# KiCad board V1.2.kicad_pcb (continued)
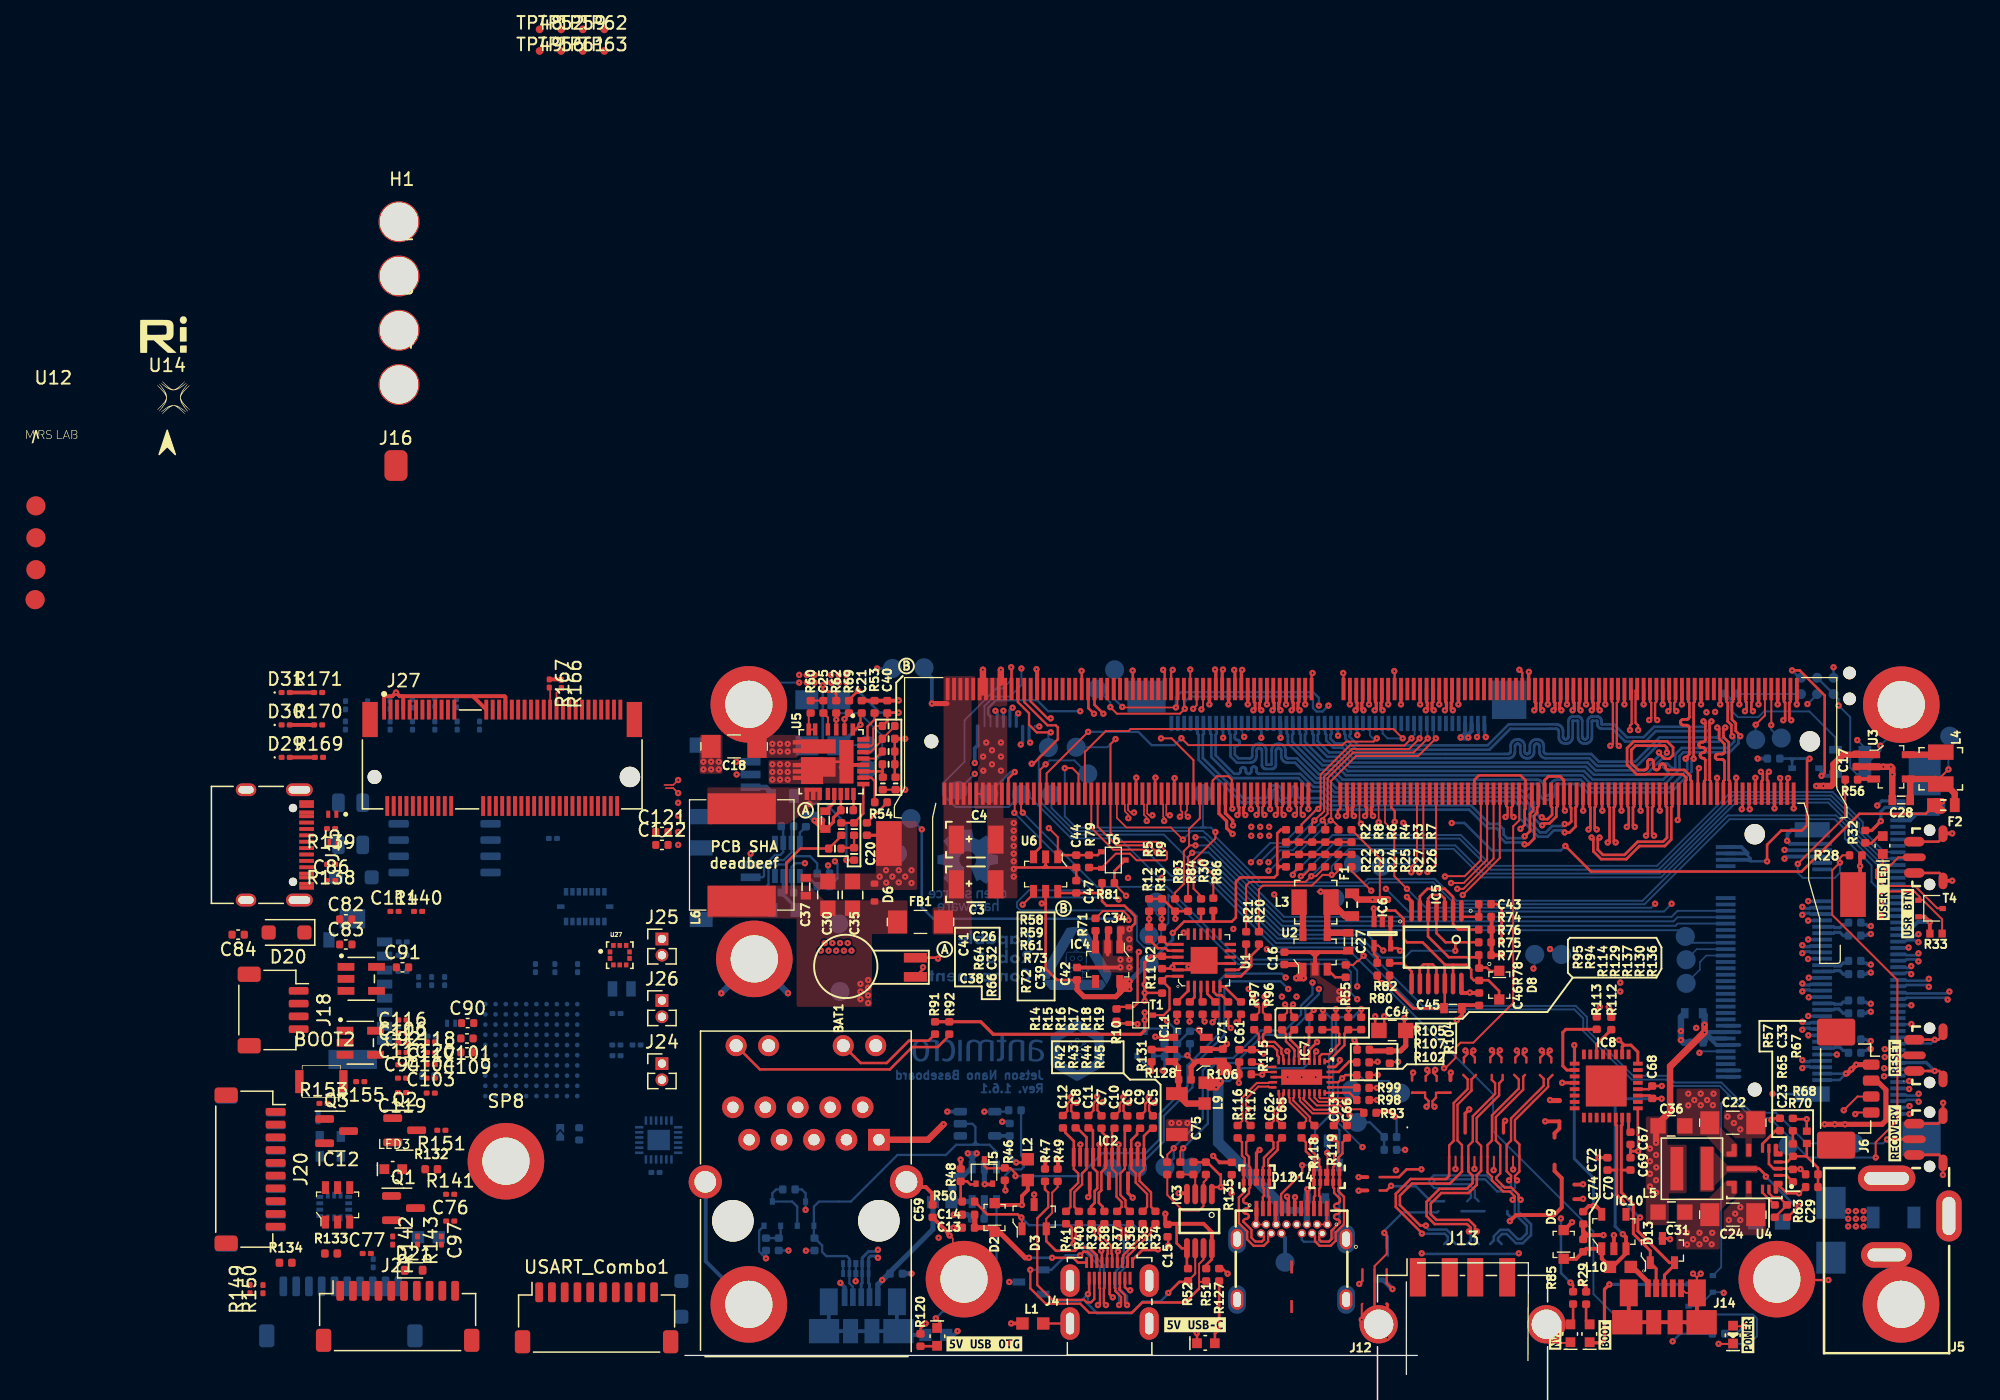
[diagram p0: board, top side]
## Routing (per net, layer and track width the routed paths; a pad name or vN(x,y) marks a point on that pad's centre or on a via; arc(x,y) is an arc through that point) (continued)
  Bottom w0.21: v1(96.02,31.99) 95.88,31.84 95.66,31.84 95.57,31.92 94.84,31.92
/CSI/CSI_B_D0_N: length 43.4
  Top w0.21: v1(86.63,51.25) 86.49,51.39 86.49,52.62 86.57,52.7 M1.3
  In3_SIGNAL.Cu w0.138: v1(86.63,51.25) 86.45,51.43 86.45,51.71 86.5,51.76 88.44,51.76 89.63,50.57 89.63,49.86 89.62,49.82 89.61,49.78 89.59,49.75 89.56,49.72 89.53,49.7 89.49,49.69 89.45,49.68 89.43,49.68 89.4,49.68 89.36,49.67 89.33,49.65 89.3,49.62 89.28,49.58 89.26,49.55 89.26,49.51 89.26,49.47 89.28,49.43 89.3,49.4 89.33,49.37 89.36,49.35 89.4,49.34 89.43,49.33 89.45,49.33 89.49,49.33 89.53,49.32 89.56,49.3 89.59,49.27 89.61,49.23 89.62,49.2 89.63,49.16 89.63,45.52 90.05,45.1 90.11,45.06 94.68,45.06 96.14,43.61 96.14,41.86 96.15,41.77 96.18,41.68 96.23,41.61 96.29,41.54 96.37,41.49 96.46,41.46 96.55,41.45 97.45,41.45 97.49,41.45 97.53,41.44 97.56,41.42 97.58,41.39 97.6,41.36 97.62,41.32 97.62,41.28 97.62,41.25 97.6,41.21 97.58,41.18 97.56,41.15 97.53,41.13 97.49,41.12 97.45,41.12 96.55,41.12 96.46,41.11 96.37,41.08 96.29,41.03 96.23,40.96 96.18,40.89 96.15,40.8 96.14,40.71 96.14,40.66 96.15,40.57 96.18,40.48 96.23,40.41 96.29,40.34 96.37,40.29 96.46,40.26 96.55,40.25 97.45,40.25 97.49,40.25 97.53,40.24 97.56,40.22 97.58,40.19 97.6,40.16 97.62,40.12 97.62,40.08 97.62,40.05 97.6,40.01 97.58,39.98 97.56,39.95 97.53,39.93 97.49,39.92 97.45,39.92 96.55,39.92 96.46,39.91 96.37,39.88 96.29,39.83 96.23,39.76 96.18,39.69 96.15,39.6 96.14,39.51 96.14,37.43 96.15,37.34 96.18,37.26 96.23,37.18 96.29,37.11 96.37,37.07 96.46,37.04 96.55,37.03 97.15,37.03 97.19,37.02 97.22,37.01 97.26,36.99 97.28,36.96 97.3,36.93 97.31,36.89 97.32,36.86 97.31,36.82 97.3,36.78 97.28,36.75 97.26,36.73 97.22,36.71 97.19,36.69 97.15,36.69 96.55,36.69 96.46,36.68 96.37,36.65 96.29,36.6 96.23,36.54 96.18,36.46 96.15,36.37 96.14,36.28 96.14,35.47 96.68,34.93 96.78,34.93 97.21,34.5 97.21,32.14 96.63,31.56 96.63,30.91 96.99,30.54 97.23,30.54 v1(97.41,30.36)
  Bottom w0.21: 94.84,30.43 95.57,30.43 95.66,30.51 97.26,30.51 v1(97.41,30.36)
/CSI/CSI_B_D0_P: length 43.4
  Top w0.21: v1(86.01,51.25) 86.15,51.39 86.15,52.62 86.07,52.7 M1.5
  In3_SIGNAL.Cu w0.138: v1(86.01,51.25) 86.19,51.43 86.19,51.82 86.39,52.02 88.55,52.02 89.89,50.68 89.89,45.63 90.2,45.33 94.79,45.33 96.4,43.72 96.4,41.88 96.41,41.85 96.42,41.81 96.44,41.78 96.47,41.75 96.5,41.73 96.53,41.72 96.57,41.72 97.48,41.72 97.57,41.71 97.65,41.68 97.73,41.63 97.8,41.56 97.84,41.49 97.87,41.4 97.88,41.31 97.88,41.26 97.87,41.17 97.84,41.08 97.8,41.01 97.73,40.94 97.65,40.89 97.57,40.86 97.48,40.85 96.57,40.85 96.53,40.85 96.5,40.84 96.47,40.82 96.44,40.79 96.42,40.76 96.41,40.72 96.4,40.68 96.41,40.65 96.42,40.61 96.44,40.58 96.47,40.55 96.5,40.53 96.53,40.52 96.57,40.52 97.48,40.52 97.57,40.51 97.65,40.48 97.73,40.43 97.8,40.36 97.84,40.29 97.87,40.2 97.88,40.11 97.88,40.06 97.87,39.97 97.84,39.88 97.8,39.81 97.73,39.74 97.65,39.69 97.57,39.66 97.48,39.65 96.57,39.65 96.53,39.65 96.5,39.64 96.47,39.62 96.44,39.59 96.42,39.56 96.41,39.52 96.4,39.48 96.4,37.46 96.41,37.42 96.42,37.38 96.44,37.35 96.47,37.33 96.5,37.31 96.53,37.29 96.57,37.29 97.18,37.29 97.27,37.28 97.35,37.25 97.43,37.2 97.49,37.14 97.54,37.06 97.57,36.97 97.58,36.88 97.58,36.83 97.57,36.74 97.54,36.66 97.49,36.58 97.43,36.51 97.35,36.47 97.27,36.44 97.18,36.43 96.57,36.43 96.53,36.42 96.5,36.41 96.47,36.39 96.44,36.36 96.42,36.33 96.41,36.29 96.4,36.26 96.4,35.58 96.79,35.19 96.89,35.19 97.47,34.61 97.47,32.04 96.89,31.45 96.89,31.02 97.1,30.81 97.23,30.81 v1(97.41,30.99)
  Bottom w0.21: 94.84,30.92 95.57,30.92 95.66,30.84 97.26,30.84 v1(97.41,30.99)
/CSI/CSI_B_D1_N: length 43.3
  Top w0.21: v1(83.63,51.96) 83.51,52.08 83.51,52.64 83.57,52.7 M1.15
  In3_SIGNAL.Cu w0.138: v1(83.63,51.96) 83.45,52.14 83.45,53.02 83.71,53.28 88.2,53.28 90.85,50.62 90.85,46.22 91.32,45.75 95.53,45.75 98.28,42.99 98.28,32.27 98.27,32.24 98.26,32.21 98.24,32.18 98.22,32.15 98.19,32.14 98.16,32.12 98.13,32.12 98.02,32.12 97.99,32.12 97.96,32.11 97.93,32.09 97.91,32.06 97.89,32.04 97.88,32 97.87,31.97 97.88,31.94 97.89,31.91 97.91,31.88 97.93,31.85 97.96,31.84 97.99,31.82 98.02,31.82 98.13,31.82 98.16,31.82 98.19,31.81 98.22,31.79 98.24,31.76 98.26,31.74 98.27,31.7 98.28,31.67 98.28,29.97 v1(98.88,29.36)
  Bottom w0.21: 94.84,29.43 95.57,29.43 95.66,29.51 98.73,29.51 v1(98.88,29.36)
/CSI/CSI_B_D1_P: length 43.3
  Top w0.21: v1(83.01,51.96) 83.13,52.08 83.13,52.64 83.07,52.7 M1.17
  In3_SIGNAL.Cu w0.138: v1(99.01,29.99) 98.63,29.99 98.54,30.07 98.54,43.1 95.63,46.01 91.43,46.01 91.12,46.32 91.12,50.73 88.31,53.54 83.6,53.54 83.19,53.13 83.19,52.14 v1(83.01,51.96)
  Bottom w0.21: 94.84,29.92 95.57,29.92 95.66,29.84 98.73,29.84 98.95,30.05 v1(99.01,29.99)
/CSI/CSI_C_CLK_N: length 55.7
  Top w0.21: v1(74.38,42.89) 74.24,43.04 74.24,44.42 74.32,44.5 M1.52
  In5_3V3_SYS_SIGNAL.Cu w0.128: v1(74.38,42.89) 74.2,43.08 74.2,43.28 74.27,43.35 76.46,43.35 77.51,42.29 77.51,38.56 80.48,35.59 80.48,34.86 80.48,34.83 80.47,34.81 80.45,34.78 80.43,34.76 80.41,34.75 80.38,34.74 80.35,34.73 80.1,34.73 80.02,34.73 79.94,34.7 79.87,34.66 79.81,34.6 79.77,34.53 79.75,34.46 79.74,34.38 79.74,34.33 79.75,34.25 79.77,34.18 79.81,34.11 79.87,34.05 79.94,34.01 80.02,33.98 80.1,33.97 81.1,33.97 81.13,33.97 81.16,33.96 81.18,33.94 81.2,33.92 81.22,33.9 81.22,33.87 81.23,33.84 81.22,33.82 81.22,33.79 81.2,33.76 81.18,33.74 81.16,33.73 81.13,33.72 81.1,33.72 80.1,33.72 80.02,33.71 79.94,33.68 79.87,33.64 79.81,33.58 79.77,33.51 79.75,33.44 79.74,33.36 79.74,33.31 79.75,33.23 79.77,33.16 79.81,33.09 79.87,33.03 79.94,32.99 80.02,32.96 80.1,32.95 81.1,32.95 81.13,32.95 81.16,32.94 81.18,32.93 81.2,32.91 81.22,32.88 81.22,32.85 81.23,32.83 81.22,32.8 81.22,32.77 81.2,32.75 81.18,32.73 81.16,32.71 81.13,32.7 81.1,32.7 80.1,32.7 80.02,32.69 79.94,32.66 79.87,32.62 79.81,32.56 79.77,32.5 79.75,32.42 79.74,32.34 79.74,32.3 79.75,32.22 79.77,32.14 79.81,32.07 79.87,32.01 79.94,31.97 80.02,31.95 80.1,31.94 81.1,31.94 81.13,31.93 81.16,31.92 81.18,31.91 81.2,31.89 81.22,31.86 81.22,31.84 81.23,31.81 81.22,31.78 81.22,31.75 81.2,31.73 81.18,31.71 81.16,31.69 81.13,31.68 81.1,31.68 80.1,31.68 80.02,31.67 79.94,31.64 79.87,31.6 79.81,31.55 79.77,31.48 79.75,31.4 79.74,31.32 79.74,31.28 79.75,31.2 79.77,31.12 79.81,31.05 79.87,31 79.94,30.95 80.02,30.93 80.1,30.92 81.1,30.92 81.13,30.92 81.16,30.91 81.18,30.89 81.2,30.87 81.22,30.85 81.22,30.82 81.23,30.79 81.22,30.76 81.22,30.73 81.2,30.71 81.18,30.69 81.16,30.67 81.13,30.67 81.1,30.66 80.1,30.66 80.02,30.65 79.94,30.63 79.87,30.58 79.81,30.53 79.77,30.46 79.75,30.38 79.74,30.3 79.74,30.26 79.75,30.18 79.77,30.1 79.81,30.04 79.87,29.98 79.94,29.94 80.02,29.91 80.1,29.9 81.1,29.9 81.13,29.9 81.16,29.89 81.18,29.87 81.2,29.85 81.22,29.83 81.22,29.8 81.23,29.77 81.22,29.74 81.22,29.72 81.2,29.69 81.18,29.67 81.16,29.66 81.13,29.65 81.1,29.64 80.1,29.64 80.02,29.64 79.94,29.61 79.87,29.57 79.81,29.51 79.77,29.44 79.75,29.37 79.74,29.29 79.74,29.24 79.75,29.16 79.77,29.09 79.81,29.02 79.87,28.96 79.94,28.92 80.02,28.89 80.1,28.88 81.1,28.88 81.13,28.88 81.16,28.87 81.18,28.85 81.2,28.83 81.22,28.81 81.22,28.78 81.23,28.75 81.22,28.73 81.22,28.7 81.2,28.67 81.18,28.65 81.16,28.64 81.13,28.63 81.1,28.63 80.84,28.63 80.76,28.62 80.69,28.59 80.62,28.55 80.56,28.49 80.52,28.42 80.49,28.35 80.48,28.27 80.48,27.17 81.66,25.99 84.36,25.99 87.09,23.26 89.91,23.26 91.45,24.8 92.17,24.8 92.2,24.8 92.23,24.79 92.26,24.77 92.29,24.75 92.3,24.72 92.31,24.69 92.32,24.65 92.32,24.61 92.32,24.58 92.33,24.55 92.35,24.52 92.38,24.5 92.4,24.48 92.44,24.47 92.47,24.46 92.5,24.47 92.53,24.48 92.56,24.5 92.59,24.52 92.6,24.55 92.61,24.58 92.62,24.61 92.62,24.65 92.62,24.69 92.63,24.72 92.65,24.75 92.68,24.77 92.7,24.79 92.74,24.8 92.77,24.8 93.34,24.8 93.58,25.05 93.77,25.05 v1(93.96,24.86)
  Bottom w0.21: v1(93.96,24.86) 94.02,24.93 94.84,24.93
/CSI/CSI_C_CLK_P: length 55.7
  Top w0.21: v1(73.76,42.89) 73.9,43.04 73.9,44.42 73.82,44.5 73.82,45.49
  In5_3V3_SYS_SIGNAL.Cu w0.128: v1(93.96,25.49) 93.77,25.3 93.48,25.3 93.23,25.06 91.35,25.06 89.8,23.51 87.2,23.51 84.47,26.24 81.77,26.24 80.74,27.27 80.74,28.25 80.74,28.27 80.75,28.3 80.76,28.33 80.78,28.35 80.81,28.36 80.83,28.37 80.86,28.37 81.12,28.37 81.2,28.38 81.28,28.41 81.35,28.45 81.4,28.51 81.45,28.58 81.47,28.65 81.48,28.73 81.48,28.78 81.47,28.86 81.45,28.93 81.4,29 81.35,29.06 81.28,29.1 81.2,29.13 81.12,29.14 80.12,29.14 80.09,29.14 80.06,29.15 80.04,29.16 80.02,29.18 80,29.21 79.99,29.23 79.99,29.26 79.99,29.29 80,29.32 80.02,29.34 80.04,29.36 80.06,29.38 80.09,29.39 80.12,29.39 81.12,29.39 81.2,29.4 81.28,29.43 81.35,29.47 81.4,29.53 81.45,29.59 81.47,29.67 81.48,29.75 81.48,29.79 81.47,29.87 81.45,29.95 81.4,30.02 81.35,30.07 81.28,30.12 81.2,30.14 81.12,30.15 80.12,30.15 80.09,30.16 80.06,30.17 80.04,30.18 80.02,30.2 80,30.23 79.99,30.25 79.99,30.28 79.99,30.31 80,30.34 80.02,30.36 80.04,30.38 80.06,30.4 80.09,30.41 80.12,30.41 81.12,30.41 81.2,30.42 81.28,30.44 81.35,30.49 81.4,30.54 81.45,30.61 81.47,30.69 81.48,30.77 81.48,30.81 81.47,30.89 81.45,30.97 81.4,31.04 81.35,31.09 81.28,31.14 81.2,31.16 81.12,31.17 80.12,31.17 80.09,31.17 80.06,31.18 80.04,31.2 80.02,31.22 80,31.24 79.99,31.27 79.99,31.3 79.99,31.33 80,31.35 80.02,31.38 80.04,31.4 80.06,31.41 80.09,31.42 80.12,31.43 81.12,31.43 81.2,31.44 81.28,31.46 81.35,31.51 81.4,31.56 81.45,31.63 81.47,31.71 81.48,31.79 81.48,31.83 81.47,31.91 81.45,31.99 81.4,32.05 81.35,32.11 81.28,32.15 81.2,32.18 81.12,32.19 80.12,32.19 80.09,32.19 80.06,32.2 80.04,32.22 80.02,32.24 80,32.26 79.99,32.29 79.99,32.32 79.99,32.35 80,32.37 80.02,32.4 80.04,32.42 80.06,32.43 80.09,32.44 80.12,32.45 81.12,32.45 81.2,32.45 81.28,32.48 81.35,32.52 81.4,32.58 81.45,32.65 81.47,32.72 81.48,32.8 81.48,32.85 81.47,32.93 81.45,33 81.4,33.07 81.35,33.13 81.28,33.17 81.2,33.2 81.12,33.21 80.12,33.21 80.09,33.21 80.06,33.22 80.04,33.24 80.02,33.26 80,33.28 79.99,33.31 79.99,33.34 79.99,33.36 80,33.39 80.02,33.42 80.04,33.44 80.06,33.45 80.09,33.46 80.12,33.46 81.12,33.46 81.2,33.47 81.28,33.5 81.35,33.54 81.4,33.6 81.45,33.67 81.47,33.74 81.48,33.82 81.48,33.87 81.47,33.95 81.45,34.02 81.4,34.09 81.35,34.15 81.28,34.19 81.2,34.22 81.12,34.23 80.12,34.23 80.09,34.23 80.06,34.24 80.04,34.25 80.02,34.27 80,34.3 79.99,34.32 79.99,34.35 79.99,34.38 80,34.41 80.02,34.43 80.04,34.45 80.06,34.47 80.09,34.48 80.12,34.48 80.38,34.48 80.46,34.49 80.53,34.52 80.6,34.56 80.66,34.62 80.7,34.68 80.73,34.76 80.74,34.84 80.74,35.69 77.77,38.66 77.77,42.4 76.56,43.6 74.16,43.6 73.94,43.38 73.94,43.08 v1(73.76,42.89)
  Bottom w0.21: 94.84,25.43 94.02,25.43 v1(93.96,25.49)
/CSI/CSI_C_D0_N: length 55.7
  Top w0.21: v1(75.88,42.21) 75.74,42.35 75.74,44.42 75.82,44.5 M1.46
  In5_3V3_SYS_SIGNAL.Cu w0.128: 93.89,23.36 93.7,23.55 93.07,23.55 93.04,23.54 93.01,23.53 92.98,23.52 92.96,23.49 92.94,23.46 92.93,23.43 92.92,23.4 92.92,23.36 92.92,23.33 92.91,23.29 92.89,23.27 92.87,23.24 92.84,23.22 92.81,23.21 92.77,23.21 92.74,23.21 92.71,23.22 92.68,23.24 92.66,23.27 92.64,23.29 92.63,23.33 92.62,23.36 92.62,23.4 92.62,23.43 92.61,23.46 92.59,23.49 92.57,23.52 92.54,23.53 92.51,23.54 92.47,23.55 92.14,23.55 91.35,22.75 86.86,22.75 84.45,25.17 80.18,25.17 78.5,26.85 78.5,27.78 78.51,27.86 78.54,27.93 78.58,28 78.64,28.06 78.7,28.1 78.78,28.13 78.86,28.14 79.43,28.14 79.46,28.14 79.49,28.15 79.51,28.17 79.53,28.19 79.55,28.21 79.56,28.24 79.56,28.27 79.56,28.29 79.55,28.32 79.53,28.35 79.51,28.37 79.49,28.38 79.46,28.39 79.43,28.39 77.8,28.39 77.72,28.4 77.64,28.43 77.57,28.47 77.52,28.53 77.48,28.6 77.45,28.67 77.44,28.75 77.44,28.8 77.45,28.88 77.48,28.95 77.52,29.02 77.57,29.08 77.64,29.12 77.72,29.15 77.8,29.16 79.03,29.16 79.06,29.16 79.09,29.17 79.11,29.18 79.13,29.2 79.15,29.23 79.16,29.26 79.16,29.28 79.16,29.31 79.15,29.34 79.13,29.36 79.11,29.38 79.09,29.4 79.06,29.41 79.03,29.41 77.8,29.41 77.72,29.42 77.64,29.45 77.57,29.49 77.52,29.55 77.48,29.61 77.45,29.69 77.44,29.77 77.44,29.81 77.45,29.89 77.48,29.97 77.52,30.04 77.57,30.1 77.64,30.14 77.72,30.16 77.8,30.17 79.03,30.17 79.06,30.18 79.09,30.19 79.11,30.2 79.13,30.22 79.15,30.25 79.16,30.27 79.16,30.3 79.16,30.33 79.15,30.36 79.13,30.38 79.11,30.4 79.09,30.42 79.06,30.43 79.03,30.43 77.8,30.43 77.72,30.44 77.64,30.47 77.57,30.51 77.52,30.56 77.48,30.63 77.45,30.71 77.44,30.79 77.44,30.83 77.45,30.91 77.48,30.99 77.52,31.06 77.57,31.11 77.64,31.16 77.72,31.18 77.8,31.19 79.03,31.19 79.06,31.19 79.09,31.2 79.11,31.22 79.13,31.24 79.15,31.26 79.16,31.29 79.16,31.32 79.16,31.35 79.15,31.38 79.13,31.4 79.11,31.42 79.09,31.44 79.06,31.44 79.03,31.45 77.8,31.45 77.72,31.46 77.64,31.48 77.57,31.53 77.52,31.58 77.48,31.65 77.45,31.73 77.44,31.81 77.44,31.85 77.45,31.93 77.48,32.01 77.52,32.07 77.57,32.13 77.64,32.17 77.72,32.2 77.8,32.21 79.03,32.21 79.06,32.21 79.09,32.22 79.11,32.24 79.13,32.26 79.15,32.28 79.16,32.31 79.16,32.34 79.16,32.37 79.15,32.39 79.13,32.42 79.11,32.44 79.09,32.45 79.06,32.46 79.03,32.47 77.8,32.47 77.72,32.47 77.64,32.5 77.57,32.54 77.52,32.6 77.48,32.67 77.45,32.74 77.44,32.82 77.44,32.87 77.45,32.95 77.48,33.02 77.52,33.09 77.57,33.15 77.64,33.19 77.72,33.22 77.8,33.23 78.37,33.23 78.4,33.23 78.43,33.24 78.45,33.26 78.47,33.28 78.49,33.3 78.5,33.33 78.5,33.36 78.5,36.48 76.82,38.17 76.82,42.06 76.23,42.65 75.77,42.65 75.7,42.57 75.7,42.39 v1(75.88,42.21)
  Bottom w0.21: 93.92,23.36 93.98,23.43 94.84,23.43
  vias: v1(93.9,23.36)
/CSI/CSI_C_D0_P: length 55.7
  Top w0.21: v1(75.26,42.21) 75.4,42.35 75.4,44.42 75.32,44.5 75.32,45.49
  In5_3V3_SYS_SIGNAL.Cu w0.128: v1(75.26,42.21) 75.44,42.39 75.44,42.67 75.67,42.9 76.33,42.9 77.07,42.17 77.07,38.27 78.75,36.59 78.75,33.33 78.74,33.25 78.72,33.18 78.67,33.11 78.62,33.05 78.55,33.01 78.47,32.98 78.39,32.97 77.82,32.97 77.79,32.97 77.77,32.96 77.74,32.95 77.72,32.93 77.71,32.9 77.7,32.88 77.69,32.85 77.7,32.82 77.71,32.79 77.72,32.77 77.74,32.75 77.77,32.73 77.79,32.72 77.82,32.72 79.05,32.72 79.13,32.71 79.21,32.68 79.28,32.64 79.33,32.58 79.38,32.52 79.4,32.44 79.41,32.36 79.41,32.32 79.4,32.24 79.38,32.16 79.33,32.09 79.28,32.04 79.21,31.99 79.13,31.97 79.05,31.96 77.82,31.96 77.79,31.95 77.77,31.94 77.74,31.93 77.72,31.91 77.71,31.88 77.7,31.86 77.69,31.83 77.7,31.8 77.71,31.77 77.72,31.75 77.74,31.73 77.77,31.71 77.79,31.7 77.82,31.7 79.05,31.7 79.13,31.69 79.21,31.67 79.28,31.62 79.33,31.57 79.38,31.5 79.4,31.42 79.41,31.34 79.41,31.3 79.4,31.22 79.38,31.14 79.33,31.07 79.28,31.02 79.21,30.97 79.13,30.95 79.05,30.94 77.82,30.94 77.79,30.94 77.77,30.93 77.74,30.91 77.72,30.89 77.71,30.87 77.7,30.84 77.69,30.81 77.7,30.78 77.71,30.76 77.72,30.73 77.74,30.71 77.77,30.7 77.79,30.69 77.82,30.68 79.05,30.68 79.13,30.67 79.21,30.65 79.28,30.6 79.33,30.55 79.38,30.48 79.4,30.4 79.41,30.32 79.41,30.28 79.4,30.2 79.38,30.12 79.33,30.06 79.28,30 79.21,29.96 79.13,29.93 79.05,29.92 77.82,29.92 77.79,29.92 77.77,29.91 77.74,29.89 77.72,29.87 77.71,29.85 77.7,29.82 77.69,29.79 77.7,29.76 77.71,29.74 77.72,29.71 77.74,29.69 77.77,29.68 77.79,29.67 77.82,29.66 79.05,29.66 79.13,29.66 79.21,29.63 79.28,29.59 79.33,29.53 79.38,29.46 79.4,29.39 79.41,29.31 79.41,29.26 79.4,29.18 79.38,29.11 79.33,29.04 79.28,28.98 79.21,28.94 79.13,28.91 79.05,28.9 77.82,28.9 77.79,28.9 77.77,28.89 77.74,28.87 77.72,28.85 77.71,28.83 77.7,28.8 77.69,28.77 77.7,28.75 77.71,28.72 77.72,28.69 77.74,28.67 77.77,28.66 77.79,28.65 77.82,28.65 79.45,28.65 79.53,28.64 79.61,28.61 79.68,28.57 79.73,28.51 79.78,28.44 79.8,28.37 79.81,28.29 79.81,28.24 79.8,28.16 79.78,28.09 79.73,28.02 79.68,27.96 79.61,27.92 79.53,27.89 79.45,27.88 78.88,27.88 78.85,27.88 78.83,27.87 78.8,27.86 78.78,27.84 78.77,27.81 78.76,27.79 78.75,27.76 78.75,26.95 80.29,25.42 84.56,25.42 86.97,23.01 91.24,23.01 92.04,23.8 93.73,23.8 v1(93.92,23.99)
  Bottom w0.21: 94.84,23.93 93.98,23.93 v1(93.92,23.99)
/CSI/CSI_C_D1_N: length 55.7
  Top w0.21: 72.88,41.64 72.74,41.78 72.74,44.42 72.82,44.5 72.82,45.49
  In5_3V3_SYS_SIGNAL.Cu w0.128: 72.88,41.64 72.7,41.82 72.7,41.89 72.89,42.08 74.09,42.08 76.06,40.11 76.06,37.89 76.43,37.52 76.43,36.29 76.43,36.26 76.42,36.22 76.4,36.2 76.38,36.17 76.35,36.16 76.32,36.14 76.28,36.14 76,36.14 75.92,36.13 75.84,36.1 75.77,36.06 75.71,36 75.66,35.93 75.63,35.85 75.62,35.76 75.62,35.72 75.63,35.63 75.66,35.55 75.71,35.48 75.77,35.42 75.84,35.37 75.92,35.35 76,35.34 76.28,35.34 76.32,35.33 76.35,35.32 76.38,35.3 76.4,35.28 76.42,35.25 76.43,35.22 76.43,35.19 76.43,35.16 76.42,35.12 76.4,35.1 76.38,35.07 76.35,35.06 76.32,35.04 76.28,35.04 76,35.04 75.92,35.03 75.84,35 75.77,34.96 75.71,34.9 75.66,34.83 75.63,34.75 75.62,34.66 75.62,34.62 75.63,34.53 75.66,34.45 75.71,34.38 75.77,34.32 75.84,34.27 75.92,34.25 76,34.24 76.28,34.24 76.32,34.23 76.35,34.22 76.38,34.2 76.4,34.18 76.42,34.15 76.43,34.12 76.43,34.09 76.43,34.06 76.42,34.02 76.4,34 76.38,33.97 76.35,33.96 76.32,33.94 76.28,33.94 76,33.94 75.92,33.93 75.84,33.9 75.77,33.86 75.71,33.8 75.66,33.73 75.63,33.65 75.62,33.56 75.62,33.52 75.63,33.43 75.66,33.35 75.71,33.28 75.77,33.22 75.84,33.17 75.92,33.15 76,33.14 76.28,33.14 76.32,33.13 76.35,33.12 76.38,33.1 76.4,33.08 76.42,33.05 76.43,33.02 76.43,32.99 76.43,32.96 76.42,32.92 76.4,32.9 76.38,32.87 76.35,32.86 76.32,32.84 76.28,32.84 76,32.84 75.92,32.83 75.84,32.8 75.77,32.76 75.71,32.7 75.66,32.63 75.63,32.55 75.62,32.46 75.62,32.42 75.63,32.33 75.66,32.25 75.71,32.18 75.77,32.12 75.84,32.07 75.92,32.05 76,32.04 76.28,32.04 76.32,32.03 76.35,32.02 76.38,32 76.4,31.98 76.42,31.95 76.43,31.92 76.43,31.89 76.43,31.86 76.42,31.82 76.4,31.8 76.38,31.77 76.35,31.76 76.32,31.74 76.28,31.74 76,31.74 75.92,31.73 75.84,31.7 75.77,31.66 75.71,31.6 75.66,31.53 75.63,31.45 75.62,31.36 75.62,31.32 75.63,31.23 75.66,31.15 75.71,31.08 75.77,31.02 75.84,30.97 75.92,30.95 76,30.94 76.28,30.94 76.32,30.93 76.35,30.92 76.38,30.9 76.4,30.88 76.42,30.85 76.43,30.82 76.43,30.79 76.43,30.76 76.42,30.72 76.4,30.7 76.38,30.67 76.35,30.66 76.32,30.64 76.28,30.64 76,30.64 75.92,30.63 75.84,30.6 75.77,30.56 75.71,30.5 75.66,30.43 75.63,30.35 75.62,30.26 75.62,30.22 75.63,30.13 75.66,30.05 75.71,29.98 75.77,29.92 75.84,29.87 75.92,29.85 76,29.84 76.28,29.84 76.32,29.83 76.35,29.82 76.38,29.8 76.4,29.78 76.42,29.75 76.43,29.72 76.43,29.69 76.43,29.66 76.42,29.62 76.4,29.6 76.38,29.57 76.35,29.56 76.32,29.54 76.28,29.54 76,29.54 75.92,29.53 75.84,29.5 75.77,29.46 75.71,29.4 75.66,29.33 75.63,29.25 75.62,29.16 75.62,29.12 75.63,29.03 75.66,28.95 75.71,28.88 75.77,28.82 75.84,28.77 75.92,28.75 76,28.74 76.28,28.74 76.32,28.73 76.35,28.72 76.38,28.7 76.4,28.68 76.42,28.65 76.43,28.62 76.43,28.59 76.43,28.56 76.42,28.52 76.4,28.5 76.38,28.47 76.35,28.46 76.32,28.44 76.28,28.44 76,28.44 75.92,28.43 75.84,28.4 75.77,28.36 75.71,28.3 75.66,28.23 75.63,28.15 75.62,28.06 75.62,28.02 75.63,27.93 75.66,27.85 75.71,27.78 75.77,27.72 75.84,27.67 75.92,27.65 76,27.64 76.28,27.64 76.32,27.63 76.35,27.62 76.38,27.6 76.4,27.58 76.42,27.55 76.43,27.52 76.43,27.49 76.43,27.46 76.42,27.42 76.4,27.4 76.38,27.37 76.35,27.36 76.32,27.34 76.28,27.34 76,27.34 75.92,27.33 75.84,27.3 75.77,27.26 75.71,27.2 75.66,27.13 75.63,27.05 75.62,26.96 75.62,26.92 75.63,26.83 75.66,26.75 75.71,26.68 75.77,26.62 75.84,26.57 75.92,26.55 76,26.54 76.28,26.54 76.32,26.53 76.35,26.52 76.38,26.5 76.4,26.48 76.42,26.45 76.43,26.42 76.43,26.39 76.43,26.28 78.31,24.41 84.41,24.41 86.57,22.25 91.9,22.25 92.2,22.55 94.67,22.55 94.71,22.54 94.74,22.53 94.77,22.52 94.79,22.49 94.81,22.46 94.82,22.43 94.82,22.4 94.82,22.36 94.83,22.33 94.84,22.3 94.86,22.27 94.88,22.24 94.91,22.23 94.94,22.22 94.97,22.21 95.01,22.22 95.04,22.23 95.07,22.24 95.09,22.27 95.11,22.3 95.12,22.33 95.12,22.36 95.12,22.4 95.13,22.43 95.14,22.46 95.16,22.49 95.18,22.52 95.21,22.53 95.24,22.54 95.27,22.55 95.64,22.55 95.83,22.36
  Bottom w0.21: 95.83,22.36 95.77,22.43 94.84,22.43
  vias: v1(72.88,41.67) v1(95.87,22.36)
/CSI/CSI_C_D1_P: length 55.7
  Top w0.21: 72.26,41.64 72.4,41.78 72.4,44.42 72.32,44.5 72.32,45.49
  In5_3V3_SYS_SIGNAL.Cu w0.128: 72.26,41.64 72.44,41.82 72.44,42 72.78,42.34 74.19,42.34 76.31,40.21 76.31,38 76.69,37.62 76.69,36.27 76.68,36.18 76.65,36.1 76.6,36.03 76.54,35.97 76.47,35.92 76.39,35.9 76.31,35.89 76.02,35.89 75.99,35.88 75.96,35.87 75.93,35.85 75.91,35.83 75.89,35.8 75.88,35.77 75.88,35.74 75.88,35.71 75.89,35.67 75.91,35.65 75.93,35.62 75.96,35.61 75.99,35.59 76.02,35.59 76.31,35.59 76.39,35.58 76.47,35.55 76.54,35.51 76.6,35.45 76.65,35.38 76.68,35.3 76.69,35.21 76.69,35.17 76.68,35.08 76.65,35 76.6,34.93 76.54,34.87 76.47,34.82 76.39,34.8 76.31,34.79 76.02,34.79 75.99,34.78 75.96,34.77 75.93,34.75 75.91,34.73 75.89,34.7 75.88,34.67 75.88,34.64 75.88,34.61 75.89,34.57 75.91,34.55 75.93,34.52 75.96,34.51 75.99,34.49 76.02,34.49 76.31,34.49 76.39,34.48 76.47,34.45 76.54,34.41 76.6,34.35 76.65,34.28 76.68,34.2 76.69,34.11 76.69,34.07 76.68,33.98 76.65,33.9 76.6,33.83 76.54,33.77 76.47,33.72 76.39,33.7 76.31,33.69 76.02,33.69 75.99,33.68 75.96,33.67 75.93,33.65 75.91,33.63 75.89,33.6 75.88,33.57 75.88,33.54 75.88,33.51 75.89,33.47 75.91,33.45 75.93,33.42 75.96,33.41 75.99,33.39 76.02,33.39 76.31,33.39 76.39,33.38 76.47,33.35 76.54,33.31 76.6,33.25 76.65,33.18 76.68,33.1 76.69,33.01 76.69,32.97 76.68,32.88 76.65,32.8 76.6,32.73 76.54,32.67 76.47,32.62 76.39,32.6 76.31,32.59 76.02,32.59 75.99,32.58 75.96,32.57 75.93,32.55 75.91,32.53 75.89,32.5 75.88,32.47 75.88,32.44 75.88,32.41 75.89,32.37 75.91,32.35 75.93,32.32 75.96,32.31 75.99,32.29 76.02,32.29 76.31,32.29 76.39,32.28 76.47,32.25 76.54,32.21 76.6,32.15 76.65,32.08 76.68,32 76.69,31.91 76.69,31.87 76.68,31.78 76.65,31.7 76.6,31.63 76.54,31.57 76.47,31.52 76.39,31.5 76.31,31.49 76.02,31.49 75.99,31.48 75.96,31.47 75.93,31.45 75.91,31.43 75.89,31.4 75.88,31.37 75.88,31.34 75.88,31.31 75.89,31.27 75.91,31.25 75.93,31.22 75.96,31.21 75.99,31.19 76.02,31.19 76.31,31.19 76.39,31.18 76.47,31.15 76.54,31.11 76.6,31.05 76.65,30.98 76.68,30.9 76.69,30.81 76.69,30.77 76.68,30.68 76.65,30.6 76.6,30.53 76.54,30.47 76.47,30.42 76.39,30.4 76.31,30.39 76.02,30.39 75.99,30.38 75.96,30.37 75.93,30.35 75.91,30.33 75.89,30.3 75.88,30.27 75.88,30.24 75.88,30.21 75.89,30.17 75.91,30.15 75.93,30.12 75.96,30.11 75.99,30.09 76.02,30.09 76.31,30.09 76.39,30.08 76.47,30.05 76.54,30.01 76.6,29.95 76.65,29.88 76.68,29.8 76.69,29.71 76.69,29.67 76.68,29.58 76.65,29.5 76.6,29.43 76.54,29.37 76.47,29.32 76.39,29.3 76.31,29.29 76.02,29.29 75.99,29.28 75.96,29.27 75.93,29.25 75.91,29.23 75.89,29.2 75.88,29.17 75.88,29.14 75.88,29.11 75.89,29.07 75.91,29.05 75.93,29.02 75.96,29.01 75.99,28.99 76.02,28.99 76.31,28.99 76.39,28.98 76.47,28.95 76.54,28.91 76.6,28.85 76.65,28.78 76.68,28.7 76.69,28.61 76.69,28.57 76.68,28.48 76.65,28.4 76.6,28.33 76.54,28.27 76.47,28.22 76.39,28.2 76.31,28.19 76.02,28.19 75.99,28.18 75.96,28.17 75.93,28.15 75.91,28.13 75.89,28.1 75.88,28.07 75.88,28.04 75.88,28.01 75.89,27.97 75.91,27.95 75.93,27.92 75.96,27.91 75.99,27.89 76.02,27.89 76.31,27.89 76.39,27.88 76.47,27.85 76.54,27.81 76.6,27.75 76.65,27.68 76.68,27.6 76.69,27.51 76.69,27.47 76.68,27.38 76.65,27.3 76.6,27.23 76.54,27.17 76.47,27.12 76.39,27.1 76.31,27.09 76.02,27.09 75.99,27.08 75.96,27.07 75.93,27.05 75.91,27.03 75.89,27 75.88,26.97 75.88,26.94 75.88,26.91 75.89,26.87 75.91,26.85 75.93,26.82 75.96,26.81 75.99,26.79 76.02,26.79 76.31,26.79 76.39,26.78 76.47,26.75 76.54,26.71 76.6,26.65 76.65,26.58 76.68,26.5 76.69,26.41 76.69,26.39 78.42,24.66 84.52,24.66 86.68,22.5 91.79,22.5 92.1,22.8 95.64,22.8 95.83,22.99
  Bottom w0.21: 94.84,22.93 95.77,22.93 95.83,22.99
  vias: v1(72.26,41.67) v1(95.87,22.99)
/CSI/CSI_D_D0_N: length 55.7
  Top w0.21: v1(70.99,42.06) 71.13,41.92 71.13,40.98 71.75,40.36 73.71,40.36 74.74,41.39 76.73,41.39 77.24,41.9 77.24,44.42 77.32,44.5 77.32,45.49
  In5_3V3_SYS_SIGNAL.Cu w0.128: v1(70.99,42.06) 71.17,41.89 71.17,40.81 71.76,40.22 73.6,40.22 75.07,38.75 75.07,26.32 77.68,23.71 84.31,23.71 86.27,21.74 94.52,21.74 94.71,21.55 96.42,21.55 v1(96.61,21.36)
  Bottom w0.21: 94.84,21.43 95.57,21.43 95.66,21.51 96.46,21.51 v1(96.61,21.36)
/CSI/CSI_D_D0_P: length 55.6
  Top w0.21: v1(71.62,42.06) 71.48,41.92 71.48,41.1 71.88,40.7 73.57,40.7 74.6,41.73 76.59,41.73 76.9,42.04 76.9,44.42 76.82,44.5 76.82,45.49
  In5_3V3_SYS_SIGNAL.Cu w0.128: v1(96.61,21.99) 96.42,21.8 94.82,21.8 94.63,21.99 94.49,21.99 94.46,22 94.42,22.01 94.4,22.03 94.37,22.05 94.35,22.08 94.34,22.11 94.34,22.18 94.33,22.21 94.31,22.24 94.28,22.26 94.26,22.28 94.22,22.29 94.19,22.29 94.16,22.29 94.12,22.28 94.1,22.26 94.07,22.24 94.05,22.21 94.04,22.18 94.04,22.11 94.03,22.08 94.01,22.05 93.98,22.03 93.96,22.01 93.92,22 93.89,21.99 93.86,22 93.82,22.01 93.8,22.03 93.77,22.05 93.75,22.08 93.74,22.11 93.74,22.18 93.73,22.21 93.71,22.24 93.68,22.26 93.66,22.28 93.62,22.29 93.59,22.29 93.56,22.29 93.52,22.28 93.5,22.26 93.47,22.24 93.45,22.21 93.44,22.18 93.44,22.11 93.43,22.08 93.41,22.05 93.38,22.03 93.36,22.01 93.32,22 93.29,21.99 93.26,22 93.22,22.01 93.2,22.03 93.17,22.05 93.15,22.08 93.14,22.11 93.14,22.18 93.13,22.21 93.11,22.24 93.08,22.26 93.06,22.28 93.02,22.29 92.99,22.29 92.96,22.29 92.92,22.28 92.9,22.26 92.87,22.24 92.85,22.21 92.84,22.18 92.84,22.11 92.83,22.08 92.81,22.05 92.78,22.03 92.76,22.01 92.72,22 92.69,21.99 92.66,22 92.62,22.01 92.6,22.03 92.57,22.05 92.55,22.08 92.54,22.11 92.54,22.18 92.53,22.21 92.51,22.24 92.48,22.26 92.46,22.28 92.42,22.29 92.39,22.29 92.36,22.29 92.32,22.28 92.3,22.26 92.27,22.24 92.25,22.21 92.24,22.18 92.24,22.11 92.23,22.08 92.21,22.05 92.18,22.03 92.16,22.01 92.12,22 92.09,21.99 86.38,21.99 84.41,23.96 77.79,23.96 75.32,26.42 75.32,38.85 73.7,40.47 71.86,40.47 71.42,40.91 71.42,41.86 v1(71.62,42.06)
  Bottom w0.21: 94.84,21.93 95.57,21.93 95.66,21.84 96.46,21.84 v1(96.61,21.99)
